# Altium PCB ie-track-kit-arduino-1-V11.PcbDoc (part 2 of 3) (continued)
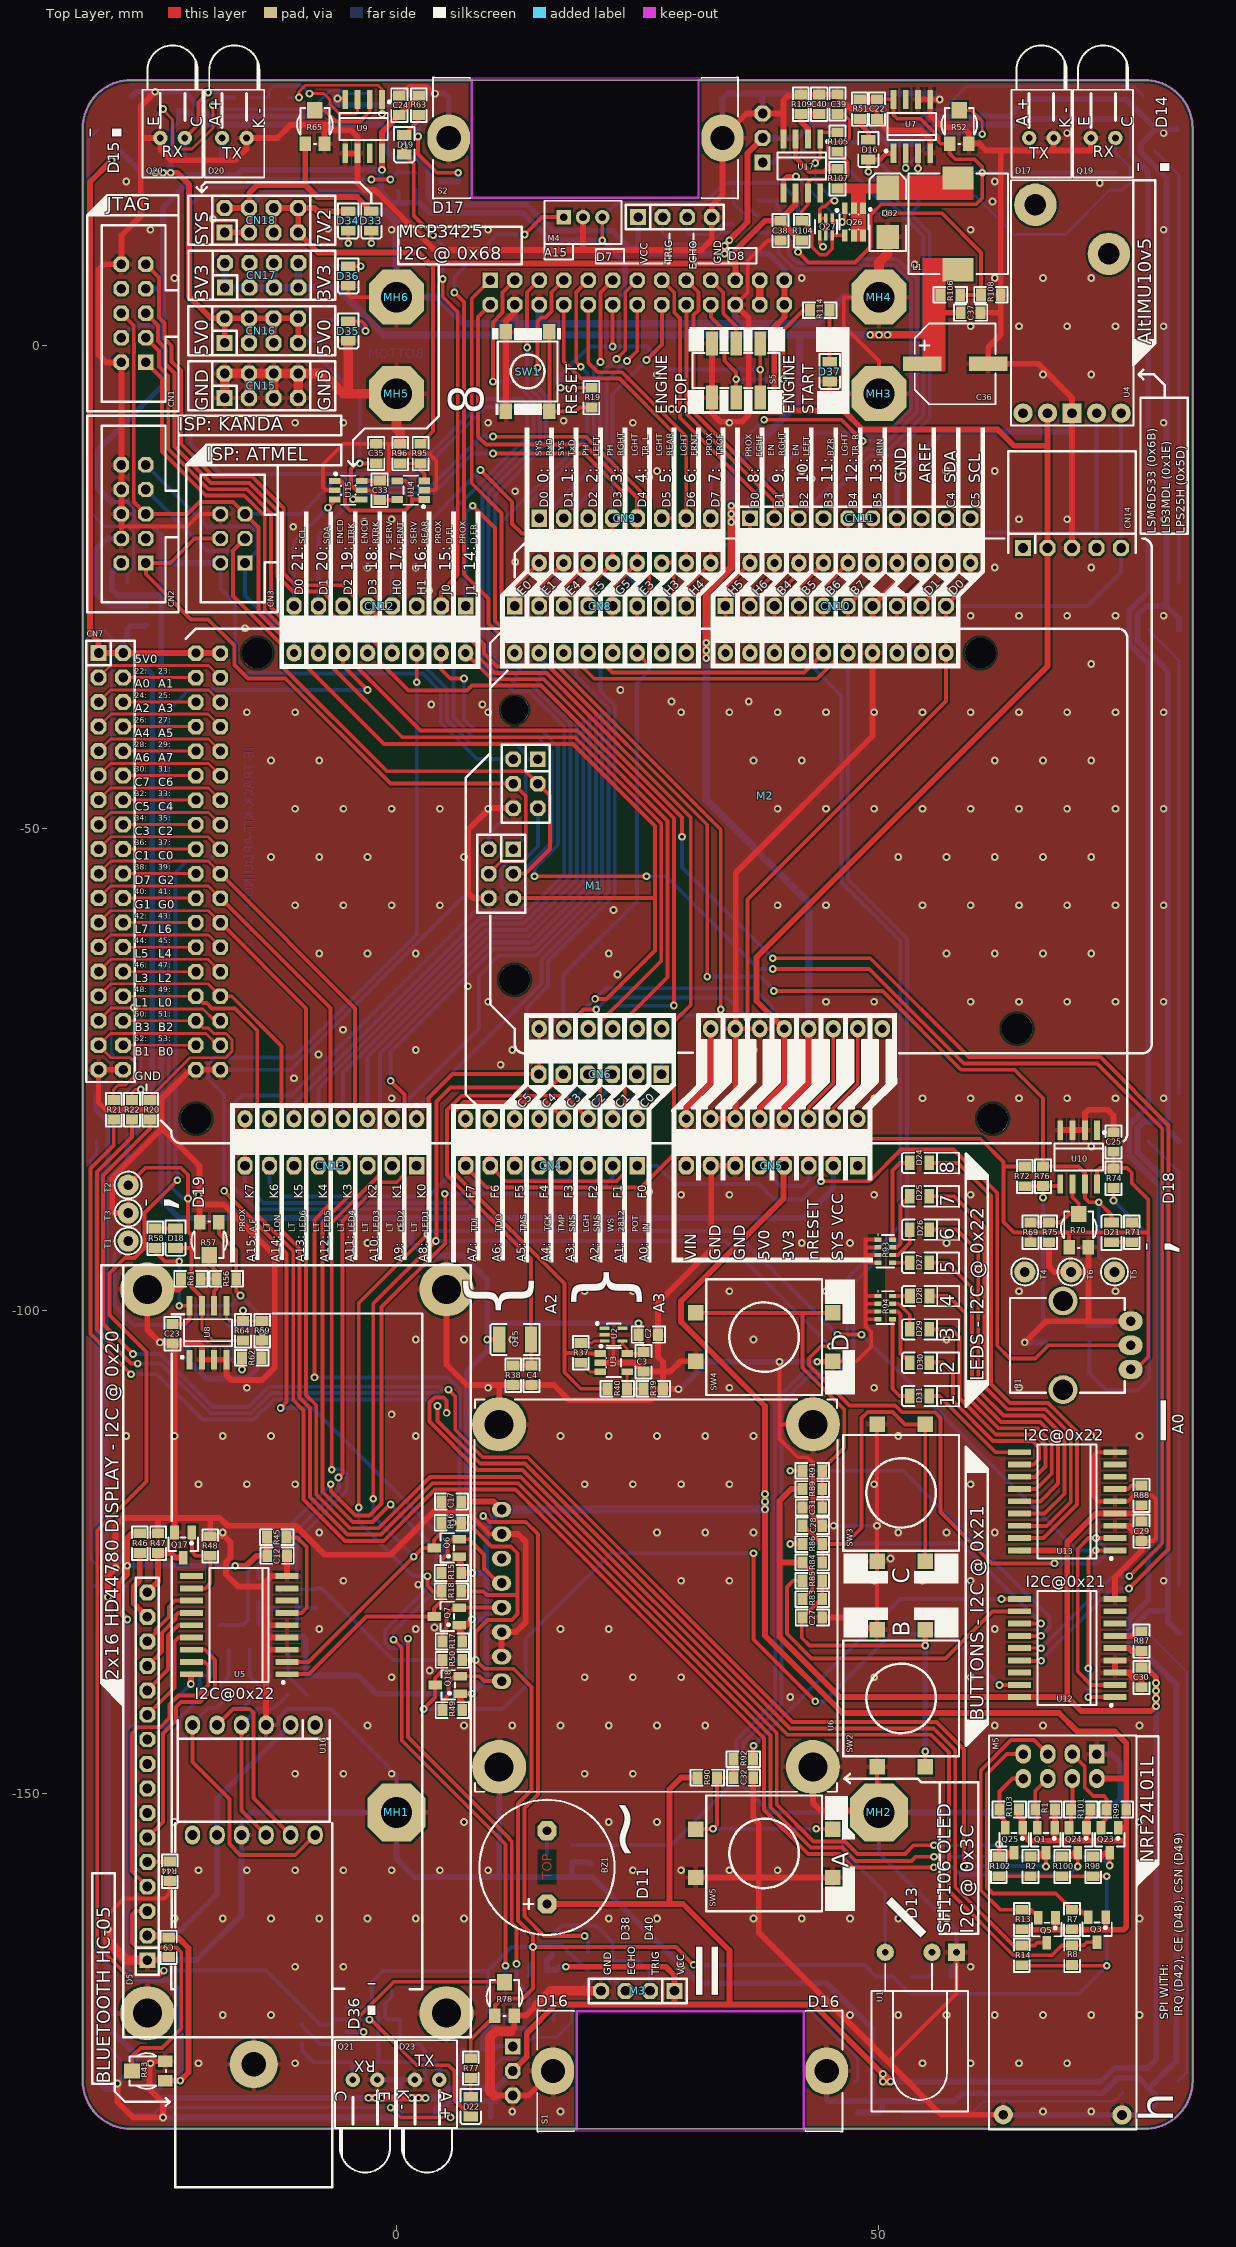
[diagram p0: Top Layer view]
## Nets (pads, with @x,y where several pads share a name; then routed paths per layer and width w, separated by ;. In a path a pad name is that pad's centre, name@x,y a point inside that pad or via, vN(x,y) a via of type N, cw(c..) or ccw(c..) an arc to the next point about the centre after c; other vN are vias at no path point) (continued)
  Top Layer w0.4: v1(21.134,-1.7) 21.134,5.484 CN19.11@22.42,6.77
  Bottom Layer w0.4: CN13.2@-0.455,-85 M1.A9@-0.455,-80.13 -0.455,-79.777 8.536,-70.785 8.536,-65.264 10.622,-63.178 14.526,-63.178 21.316,-56.388 21.316,-37.846 16.071,-32.601 16.071,-25.699 13.499,-23.127 13.499,-16.609 20.443,-9.665 20.443,-2.391 v1(21.134,-1.7)
LD3: CN13.3 CN19.9 M1.A10 | length 113
  Top Layer w0.4: v1(19.1,-2.2) 18.626,-1.726 18.626,5.464 18.6,5.49 CN19.9@19.88,6.77
  Bottom Layer w0.4: CN13.3@-2.995,-85 M1.A10@-2.995,-80.13 -2.995,-73.737 9.526,-61.216 13.714,-61.216 19.354,-55.576 19.354,-38.672 14.56,-33.878 12.978,-33.878 12.324,-33.224 11.724,-33.224 10.862,-32.362 10.862,-18.291 19.789,-9.364 19.789,-2.889 v1(19.1,-2.2)
LD4: CN13.4 CN19.7 M1.A11 | length 113
  Top Layer w0.4: v1(14.608,-2.308) 14.608,2.494 15.007,2.893 15.465,2.893 16.086,3.514 16.086,5.516 CN19.7@17.34,6.77
  Bottom Layer w0.4: CN13.4@-5.535,-85 M1.A11@-5.535,-80.13 -5.535,-75.353 9.256,-60.562 13.443,-60.562 18.7,-55.305 18.7,-38.943 14.289,-34.532 12.708,-34.532 12.054,-33.878 11.453,-33.878 10.208,-32.633 10.208,-15.542 15.516,-10.234 15.516,-5.234 14.608,-4.326 v1(14.608,-2.308)
LD5: CN13.5 CN19.5 M1.A12 | length 113.1
  Top Layer w0.4: v1(13.546,-0.2) 13.546,5.516 CN19.5@14.8,6.77
  Bottom Layer w0.4: CN13.5@-8.075,-85 M1.A12@-8.075,-80.13 -8.075,-76.968 8.985,-59.908 13.172,-59.908 18.046,-55.034 18.046,-39.214 14.018,-35.186 12.437,-35.186 11.783,-34.532 11.182,-34.532 9.554,-32.904 9.554,-15.271 14.862,-9.963 14.862,-5.504 13.546,-4.188 v1(13.546,-0.2)
LD6: CN13.6 CN19.3 M1.A13 | length 116.8
  Top Layer w0.4: v1(10,-3.746) 10,2.4 11,3.4 11,5.51 CN19.3@12.26,6.77
  Bottom Layer w0.4: CN13.6@-10.615,-85 M1.A13@-10.615,-80.13 -10.615,-78.583 8.714,-59.254 12.901,-59.254 17.392,-54.763 17.392,-39.485 13.747,-35.84 12.166,-35.84 11.512,-35.186 10.911,-35.186 8.9,-33.175 8.9,-15 14.208,-9.692 14.208,-5.775 12.179,-3.746 v1(10,-3.746)
LED1: D24.1 U13.17 | length 53.2
  Top Layer w0.4: D24.1@55.216,-84.7 58.2,-84.7 61.6,-88.1 61.6,-107.595 63.581,-109.576 67.525,-109.576 68.485,-110.536 68.5,-110.536 70.524,-112.56 70.524,-120.101 67.045,-123.58 U13.17@64.547,-123.58
LED2: D25.1 U13.16 | length 47.9
  Top Layer w0.4: D25.1@55.216,-88.15 57.75,-88.15 60.946,-91.346 60.946,-107.866 63.31,-110.23 67.254,-110.23 69.87,-112.846 69.87,-119.83 67.39,-122.31 U13.16@64.547,-122.31
LED3: D26.1 U13.15 | length 42.7
  Top Layer w0.4: D26.1@55.216,-91.616 58.016,-91.616 60.292,-93.892 60.292,-108.268 62.908,-110.884 66.984,-110.884 69.216,-113.116 69.216,-118.984 67.16,-121.04 U13.15@64.547,-121.04
LED4: D27.1 U13.14 | length 36.7
  Top Layer w0.4: D27.1@55.216,-95.05 57.05,-95.05 59.638,-97.638 59.638,-108.538 62.638,-111.538 66.713,-111.538 68.562,-113.387 68.562,-117.938 66.73,-119.77 U13.14@64.547,-119.77
LED5: D28.1 U13.13 | length 31.2
  Top Layer w0.4: D28.1@55.232,-98.5 57.2,-98.5 58.984,-100.284 58.984,-108.809 62.367,-112.192 66.442,-112.192 67.908,-113.658 67.908,-116.892 66.3,-118.5 U13.13@64.547,-118.5
LED6: D29.1 U13.12 | length 26.1
  Top Layer w0.4: D29.1@55.216,-101.95 57.55,-101.95 58.33,-102.73 58.33,-109.08 62.096,-112.846 66.171,-112.846 67.254,-113.929 67.254,-116.146 66.17,-117.23 U13.12@64.547,-117.23
LED7: D30.1 U13.11 | length 20.2
  Top Layer w0.4: D30.1@55.216,-105.4 56.6,-105.4 57.676,-106.476 57.676,-109.351 61.825,-113.5 65.9,-113.5 66.6,-114.2 66.6,-115.4 66.04,-115.96 U13.11@64.547,-115.96
LED8: D31.1 U13.10 | length 11.8
  Top Layer w0.4: D31.1@55.216,-108.85 56.25,-108.85 62.09,-114.69 U13.10@64.547,-114.69
LEDON: CN13.7 CN19.14 M1.A14 | length 131.1
  Top Layer w0.4: v1(23.9,-1.6) 24.96,-0.54 CN19.14@24.96,4.23
  Bottom Layer w0.4: M1.A14@-13.155,-80.13 CN13.7@-13.155,-85 -13.155,-86.772 -11.735,-88.192 3.308,-88.192 5.911,-85.589 5.911,-84.312 8.031,-82.192 12.608,-82.192 13.506,-81.294 13.506,-68.59 15.718,-66.379 15.718,-63.836 22.624,-56.93 22.624,-37.304 21.151,-35.831 21.151,-25.951 18.6,-23.4 18.6,-16.74 21.751,-13.589 21.751,-3.749 v1(23.9,-1.6)
LIGHT_SENSOR: C4.2 CN4.3 CN6.3 M1.A2 M2.A2 Q15.1 R38.1 | length 63.4
  Top Layer w0.4: R38.1@12.1,-105.684 C4.2@14,-105.684 14,-103.05 Q15.1@13.95,-103 13.95,-94.675 5.257,-85.982 5.257,-79.218 6.729,-77.746 17.481,-77.746 M1.A2@19.865,-80.13
  Bottom Layer w0.4: CN4.3@19.865,-85 M1.A2@19.865,-80.13 19.865,-79.135 22.38,-76.62 CN6.3@22.38,-75.5 22.38,-70.825 M2.A2@22.405,-70.8
LIGHTS_FRONT: CN8.7 CN9.7 CN19.10 M1.D6 M2.D6 | length 42.8
  Top Layer w0.4: CN19.10@19.88,4.23 19.88,-1.772 19.954,-1.846 19.954,-1.854 20.868,-2.768 23.375,-2.768 30.025,-9.418 CN9.7@30.025,-17.9 M2.D6@30.025,-22.54 ; M1.D6@27.485,-31.87 CN8.7@27.485,-27
  Bottom Layer w0.4: CN8.7@27.485,-27 30.025,-24.46 M2.D6@30.025,-22.54
LIGHTS_REAR: CN8.6 CN9.6 CN19.8 M1.D5 M2.D5 | length 56
  Top Layer w0.4: CN19.8@17.34,4.23 17.34,-1.648 19.114,-3.422 23.104,-3.422 28.739,-9.057 28.739,-17.9 ; CN8.6@24.945,-27 M1.D5@24.945,-31.87 26.299,-33.224 28.293,-33.224 28.739,-32.778 28.739,-22.5 ; M2.D5@27.485,-22.54 27.525,-22.5 28.739,-22.5 ; CN9.6@27.485,-17.9 28.739,-17.9 ; 28.739,-22.5 28.739,-17.9
LIGHTS_TURN_LEFT: CN8.5 CN9.5 CN19.2 M1.D4 M2.D4 | length 50.5
  Top Layer w0.4: CN19.2@9.72,4.23 8.454,2.964 8.454,-9.454 9.275,-10.275 19.48,-10.275 24.945,-15.74 CN9.5@24.945,-17.9 M2.D4@24.945,-22.54 22.405,-25.08 CN8.5@22.405,-27 M1.D4@22.405,-31.87
LIGHTS_TURN_RIGHT: CN10.5 CN11.5 CN19.1 M1.D12 M2.D12 | length 90.3
  Top Layer w0.4: CN19.1@9.72,6.77 7.8,4.85 7.8,-14.27 10.9,-17.37 10.9,-28.3 11.2,-28.6 19.9,-28.6 21.151,-29.851 21.151,-32.651 22.378,-33.878 42.241,-33.878 M1.D12@44.249,-31.87 CN10.5@44.249,-27 44.249,-25.08 M2.D12@46.789,-22.54 CN11.5@46.789,-17.9
MCP_BTN_IRQ: U12.8
MISO_3V3: M5.7 Q3.2 R7.1 | length 28.2
  Top Layer w0.4: M5.7@64.96,-145.96 63.24,-145.96 61.2,-148 61.2,-159.8 61.8,-160.4 68.316,-160.4 R7.1@70,-162.084 70.784,-162.084 Q3.2@71.7,-163
MISO_5V: Q3.3 R8.1 R22.2 | length 171.9
  Top Layer w0.4: R22.2@-27.4,-80.216 -27.4,-82 -31.046,-85.646 -31.046,-101.962 -27.508,-105.5 v1(-26.8,-105.5) ; v1(5.2,-110.6) 5.2,-109.3 4.9,-109 3.955,-109 3.408,-109.546 3.408,-111.508 8.408,-116.508 13.069,-116.508 40.515,-143.954 55.404,-143.954 57.246,-145.796 57.246,-160.13 63.916,-166.8 67.921,-166.8 68.937,-165.784 R8.1@70.01,-165.784 71.2,-165.784 71.53,-165.454 Q3.3@72.6,-165.454
  Bottom Layer w0.4: v1(-26.8,-105.5) -24.433,-105.5 -19.287,-110.646 -15.071,-110.646 -12.971,-108.546 4.171,-108.546 5.2,-109.575 v1(5.2,-110.6)
MOSI_3V3: M5.6 Q1.2 R1.1 | length 5.7
  Top Layer w0.4: Q1.2@66.4,-153.6 66.4,-151.9 R1.1@66.2,-151.7 66.2,-149.8 M5.6@67.5,-148.5
MOSI_5V: Q1.3 R2.1 R20.1 | length 158.3
  Top Layer w0.4: v1(-27.3,-104.5) -30.392,-101.408 -30.392,-85.992 -25.5,-81.1 R20.1@-25.5,-80.216 ; v1(5.4,-108.2) 6.1,-108.9 6.1,-112.35 8.95,-115.2 13.61,-115.2 41.056,-142.646 55.946,-142.646 58.8,-145.5 v1(58.8,-157.566) ; v1(67.3,-157.6) 67.3,-156.4 67.2,-156.3 Q1.3@67.3,-156.2
  Top Layer w0.6: R2.1@65.7,-156.584 66.54,-156.584 66.924,-156.2 Q1.3@67.3,-156.2
  Bottom Layer w0.4: v1(-27.3,-104.5) -24.508,-104.5 -19.016,-109.992 -15.342,-109.992 -13.242,-107.892 4.448,-107.892 4.756,-108.2 v1(5.4,-108.2) ; v1@58.771,-157.559 58.778,-157.566 v1(58.8,-157.566) 67.266,-157.566 v1(67.3,-157.6)
NetBZ1_2: BZ1.2 Q9.3 | length 2.4
  Bottom Layer w0.4: Q9.3@15.6,-156.3 BZ1.2@15.6,-153.9
NetC1_2: C1.2 R30.2 U1.2 | length 4.5
  Bottom Layer w0.4: R30.2@53.466,-169 C1.2@55.484,-169 55.5,-168.984 U1.2@55.5,-166.5
NetC27_2: C27.2 R83.1 R85.2 SW2.1 | length 34.2
  Top Layer w0.4: R85.2@44.116,-128 R83.1@44.116,-129.9 43.984,-129.9 C27.2@42.084,-131.8 42,-131.884 42,-133.91 42.79,-134.7 v1(54.8,-134.7) ; SW2.1@54.8,-147.29 v1(54.8,-145.7)
  Top Layer w0.6: v1(54.8,-134.7) SW2.1@54.8,-133.09
  Bottom Layer w0.6: v1(54.8,-145.7) v1(54.8,-134.7)
NetC28_2: C28.2 R84.1 R86.2 SW3.1 | length 42.2
  Top Layer w0.4: C28.2@42.084,-122.3 42.216,-122.3 R86.2@44.116,-124.2 ; R84.1@44.116,-126.1 R86.2@44.116,-124.2 ; SW3.1@54.8,-125.99 54.8,-112.19 54.4,-111.79 52.706,-111.79 51.416,-110.5 48.9,-110.5 48.864,-110.536 48.812,-110.536 48.2,-111.148 48.2,-122.505 46.505,-124.2 R86.2@44.116,-124.2
NetC31_2: C31.2 R89.1 R91.2 SW4.1 | length 37.1
  Top Layer w0.4: SW4.1@31,-100.25 42.092,-100.25 ; C31.2@44.116,-120.4 R91.2@44.116,-116.6 44.116,-116.484 46.404,-114.196 46.404,-110.237 42.092,-105.925 42.092,-100.25 ; SW4.1@45.2,-100.25 42.092,-100.25
NetC32_2: C32.2 R90.1 R92.2 SW5.1 | length 23.3
  Top Layer w0.4: SW5.1@31,-153.75 32.75,-153.75 v1(32.8,-153.7) 33.216,-153.284 R90.1@33.216,-148.4 C32.2@34.938,-148.4 34.938,-146.515 R92.2@34.923,-146.5 ; v1(43.5,-153.7) 43.55,-153.75 SW5.1@45.2,-153.75
  Bottom Layer w0.4: v1(32.8,-153.7) v1(43.5,-153.7)
NetC34_2: C34.2 Q22.1 R97.1 | length 5.5
  Bottom Layer w0.4: R97.1@-19.3,-139.841 -17.3,-137.841 C34.2@-17.3,-137.809 -17.4,-137.709 Q22.1@-17.4,-135.2
NetC39_2: C39.2 R107.2 U17.3 | length 15.5
  Top Layer w0.3: 44.609,18.306 44.661,18.358 44.661,19.393 44.661,20.743 45.018,21.1 46.6,21.1 46.961,21.461 46.961,23.389 46.35,24 C39.2@45.7,24
  Top Layer w0.5: U17.3@41.365,21.394 41.365,19.435 42.804,17.996 44.299,17.996 44.609,18.306 R107.2@45.7,18.306
NetC40_2: C40.2 R109.1 U17.2 | length 4.8
  Top Layer w0.6: U17.2@42.635,21.394 42.635,22.465 41.9,23.2 R109.1@41.9,23.984 C40.2@43.8,23.984
NetCN2_1: CN2.1 CN3.4 M1.PROG4 M2.PROG4 | length 70.9
  Top Layer w0.4: CN3.4@-18.235,-20 -20.9,-20 -23.44,-22.54 CN2.1@-25.96,-22.54 -25.96,-23.71 -21.27,-28.4 -19.5,-28.4 -16.8,-31.1 -16.8,-33.1 -15.4,-34.5 -11.525,-34.5 -0.625,-45.4 M2.PROG4@12.118,-45.4 13.404,-46.686 13.404,-53.146 13.106,-53.444 10.864,-53.444 M1.PROG4@9.578,-54.73
NetCN2_7: CN2.7 CN3.3 M1.PROG3 M2.PROG3 | length 73
  Top Layer w0.4: CN3.3@-15.695,-20 -16.949,-21.254 -16.949,-25.951 -11.9,-31 -11.9,-33.2 -0.986,-44.114 13.372,-44.114 M2.PROG3@14.658,-45.4 15.912,-46.654 15.912,-52.188 13.954,-54.146 13.946,-54.146 13.446,-54.646 13.446,-54.654 13.37,-54.73 M1.PROG3@12.118,-54.73
  Bottom Layer w0.4: CN2.7@-25.96,-14.92 -19.594,-21.286 -16.981,-21.286 CN3.3@-15.695,-20
NetCN2_9: CN2.9 CN3.1 M1.PROG1 M2.PROG1 | length 72.8
  Bottom Layer w0.4: CN2.9@-25.96,-12.38 -19.594,-18.746 -14.954,-18.746 -14.4,-19.3 -14.4,-21.245 CN3.1@-15.695,-22.54 -15.695,-25.905 -11.9,-29.7 -11.9,-32.7 -11.3,-33.3 2.964,-33.3 5.246,-35.582 5.246,-38.825 7.675,-41.254 12.354,-41.254 13.372,-42.272 13.4,-42.3 13.4,-42.9 ; M1.PROG1@12.118,-52.19 13.4,-50.908 13.4,-42.9 ; M2.PROG1@14.658,-42.86 13.44,-42.86 13.4,-42.9
NetCN5_8: CN5.8 M1.P8 M2.P8 | length 15.3
  Top Layer w0.6: CN5.8@30.08,-85 30.025,-84.945 M1.P8@30.025,-80.13 30.025,-78.975 32.565,-76.435 M2.P8@32.565,-70.8
NetD1_2: D1.2 D3.4 | length 51
  Bottom Layer w0.3: D1.2@-30.864,22.399 -31.892,21.371 -31.892,-17.108 -30.25,-18.75 -27.75,-18.75 -27.25,-19.25 -27.25,-23.061 -27.9,-23.711 D3.4@-27.9,-24.55
NetD1_4: D1.4 D2.2 | length 30.8
  Top Layer w0.3: v1(-24.2,24.5) -24.269,24.5 -23.2,23.431 -23.2,20.8 -22.746,20.346 -21.185,20.346 -19,22.531 v1(-19,24.9)
  Bottom Layer w0.3: D1.4@-25.136,23.601 -24.237,24.5 v1(-24.2,24.5) ; v1@-19.135,25 v1@-19.035,24.9 ; v1(-19,24.9) v1@-19.035,24.9 ; D2.2@-2.65,26.1 -5.463,26.1 -5.767,26.404 -6.896,26.404 -8.8,24.5 -18.635,24.5 v1@-19.035,24.9
NetD2_4: D2.4 Q16.3 R42.1 | length 10.7
  Top Layer w0.4: v1(2.25,21.65) 2.25,19.85 4.2,17.9 v1(6.4,17.9)
  Bottom Layer w0.6: v1(2.25,21.65) D2.4@2.25,22.9 ; Q16.3@4.6,17 6.384,17 R42.1@6.4,17.016 v1(6.4,17.9)
NetD3_2: D3.2 D4.4 | length 51.5
  Bottom Layer w0.3: D3.2@-31.1,-29.45 -30.35,-29.45 -29.553,-30.247 -29.553,-73.347 -29.1,-73.8 -27.5,-73.8 -27,-74.3 -27,-76.463 -27.9,-77.363 D4.4@-27.9,-77.55
NetD4_2: D4.2 D6.4 | length 48.5
  Bottom Layer w0.3: D4.2@-31.1,-82.45 -31.1,-83.8 -31.7,-84.4 -31.7,-125.7 -28.85,-128.55 D6.4@-27.9,-128.55
NetD5_3: D5.3 R43.3 | length 25.9
  Top Layer w0.4: R43.3@-27.4,-178.8 -27.4,-177.3 -26.5,-176.4 -24.3,-176.4 -22.3,-174.4 -22.3,-166.5 -22.78,-166.02 -26.88,-166.02 -27.4,-165.5 -27.4,-162.6 -27.026,-162.226 D5.3@-25.816,-162.226
NetD5_4: D5.4 U5.17 | length 31.2
  Top Layer w0.4: D5.4@-25.816,-159.686 -27.4,-158.103 -27.4,-143.8 -26.776,-143.176 -24.476,-143.176 -23.5,-142.2 -23.5,-140.8 -22.6,-139.9 -20.6,-139.9 -19.5,-138.8 -19.5,-136.8 -19.89,-136.41 U5.17@-21.253,-136.41
NetD5_5: D5.5 R44.2 | length 2.3
  Top Layer w0.4: D5.5@-25.816,-157.146 -23.56,-157.146 R44.2@-23.5,-157.087
NetD5_6: D5.6 U5.16 | length 25.4
  Top Layer w0.4: D5.6@-25.816,-154.606 -24.2,-152.99 -24.2,-143.825 -22.846,-142.471 -22.846,-141.071 -22.329,-140.554 -20.329,-140.554 -18.8,-139.025 -18.8,-136.2 -19.86,-135.14 U5.16@-21.253,-135.14
NetD5_11: D5.11 U5.15 | length 10.7
  Top Layer w0.4: D5.11@-25.816,-141.906 -23,-139.09 -23,-134.3 -22.57,-133.87 U5.15@-21.253,-133.87
NetD5_12: D5.12 U5.14 | length 9.4
  Top Layer w0.4: D5.12@-25.816,-139.366 -23.654,-137.204 -23.654,-133.654 -22.6,-132.6 U5.14@-21.253,-132.6
NetD5_13: D5.13 U5.13 | length 8.2
  Top Layer w0.4: D5.13@-25.816,-136.826 -24.308,-135.318 -24.308,-133.383 -22.9,-131.975 -22.9,-131.6 -22.63,-131.33 U5.13@-21.253,-131.33
NetD5_14: D5.14 U5.12 | length 7.1
  Top Layer w0.4: D5.14@-25.816,-134.286 -24.962,-133.432 -24.962,-133.112 -23.6,-131.75 -23.6,-130.7 -22.96,-130.06 U5.12@-21.253,-130.06
NetD5_15: D5.15 R46.2 | length 7.4
  Top Layer w0.6: R46.2@-26.6,-125.116 -26.6,-127.968 -27.196,-128.564 -27.196,-130.367 D5.15@-25.816,-131.746
NetD5_16: D5.16 Q17.3 R47.1 | length 7.4
  Top Layer w0.6: D5.16@-25.816,-129.206 -24.7,-128.09 R47.1@-24.7,-125.116 -23.384,-125.116 -22.9,-125.6 Q17.3@-22.1,-125.6
NetD6_2: D6.2 D7.4 | length 45.2
  Bottom Layer w0.3: D6.2@-31.1,-133.45 -31.1,-175.1 D7.4@-28.601,-177.598
NetD7_2: D7.2 D8.4 | length 34.7
  Top Layer w0.3: v1(-0.6,-182.6) 0.416,-183.616 0.432,-183.6 v1(5.6,-183.6)
  Bottom Layer w0.3: D7.2@-27.399,-183.326 -25.226,-183.326 -25.188,-183.288 -25.188,-183.283 -24.505,-182.6 v1(-0.6,-182.6) ; v1(5.6,-183.6) 6.343,-183.6 D8.4@6.381,-183.562 D8.4@6.581,-183.562
NetD8_2: D8.2 D9.4 | length 46.9
  Bottom Layer w0.3: D8.2@9.781,-178.662 10.943,-177.5 13.036,-177.5 13.546,-176.99 13.546,-175.954 14.2,-175.3 16.6,-175.3 18.169,-173.731 18.169,-172.38 18.48,-172.069 42.42,-172.069 47.8,-177.449 47.8,-179.65 D9.4@47.55,-179.9
NetD9_2: D9.2 D11.4 | length 23.7
  Bottom Layer w0.3: D9.2@52.45,-183.1 59.717,-183.1 60.886,-181.931 74.404,-181.931 D11.4@75.272,-181.063
NetD10_4: D10.4 D12.2 | length 27
  Bottom Layer w0.3: D10.4@52.45,22.9 53.604,22.9 55.157,24.453 56.653,24.453 59.038,26.838 76.425,26.838 D12.2@77.399,25.864
NetD11_2: D11.2 D13.4 | length 48.4
  Bottom Layer w0.3: D13.4@77.9,-133.45 81.9,-137.45 81.9,-178.961 D11.2@81,-179.861
NetD12_4: D12.4 D14.2 | length 45.7
  Bottom Layer w0.3: D12.4@78.601,20.136 81.1,17.637 D14.2@81.1,-24.55
NetD13_2: D13.2 D15.4 | length 47.4
  Bottom Layer w0.3: D15.4@77.9,-82.45 81.1,-85.65 D13.2@81.1,-128.55
NetD14_4: D14.4 D15.2 | length 49.4
  Bottom Layer w0.3: D14.4@77.9,-29.45 81.1,-32.65 D15.2@81.1,-77.55
NetD16_1: D16.1 R51.2 | length 2.5
  Top Layer w0.5: R51.2@48,23.484 48,23 48.9,22.1 D16.1@48.9,21.316
NetD17_1: D17.1 R53.2 | length 1.5
  Bottom Layer w0.4: R53.2@65.56,19.976 D17.1@65.56,21.5
NetD18_1: D18.1 R58.2 | length 2.1
  Top Layer w0.4: R58.2@-25,-91.484 D18.1@-22.9,-91.484
NetD19_1: D19.1 R63.2 | length 2.7
  Top Layer w0.4: D19.1@0.8,21.816 2.3,23.316 R63.2@2.3,23.884
NetD20_1: D20.1 R66.2 | length 1.8
  Bottom Layer w0.6: R66.2@-18.07,19.7 D20.1@-18.07,21.5
NetD21_1: D21.1 R71.2 | length 2.1
  Top Layer w0.4: D21.1@74.1,-92.916 R71.2@76.2,-92.916
NetD22_1: D22.1 R77.2 | length 2
  Top Layer w0.4: D22.1@7.7,-181.468 R77.2@7.7,-179.516
NetD23_1: D23.1 R79.2 | length 2
  Bottom Layer w0.6: R79.2@3.932,-177.9 4.447,-178.415 D23.1@4.447,-179.715
NetD24_2: D24.2 R93.8 | length 9.3
  Top Layer w0.4: R93.8@51.398,-92.65 51.398,-85.471 52.169,-84.7 D24.2@53.184,-84.7
NetD25_2: D25.2 R93.7 | length 6.3
  Top Layer w0.4: R93.7@51.398,-93.45 51.815,-93.45 52.222,-93.043 52.222,-89.112 D25.2@53.184,-88.15
NetD26_2: D26.2 R93.6 | length 3.7
  Top Layer w0.4: R93.6@51.398,-94.25 51.956,-94.25 52.706,-93.5 52.69,-93.5 ; 52.684,-93.506 52.69,-93.5 ; D26.2@53.184,-91.616 53.184,-93.006 52.69,-93.5
NetD27_2: D27.2 R93.5 | length 1.8
  Top Layer w0.4: R93.5@51.398,-95.05 D27.2@53.184,-95.05
NetD28_2: D28.2 R94.8 | length 1.8
  Top Layer w0.4: R94.8@51.398,-98.5 D28.2@53.2,-98.5
NetD29_2: D29.2 R94.7 | length 3.8
  Top Layer w0.4: R94.7@51.398,-99.3 52.05,-99.3 53.184,-100.434 D29.2@53.184,-101.95
NetD30_2: D30.2 R94.6 | length 6.3
  Top Layer w0.4: R94.6@51.398,-100.1 51.925,-100.1 52.222,-100.397 52.222,-104.438 D30.2@53.184,-105.4
NetD31_2: D31.2 R94.5 | length 9.3
  Top Layer w0.4: R94.5@51.398,-100.9 51.398,-108.098 52.15,-108.85 D31.2@53.184,-108.85
NetD32_2: D32.2 L1.1 Q26.1 Q26.2 Q26.5 Q26.6 R107.1 | length 5.2
  Top Layer w1: R107.1@45.7,16.274 48.35,16.274 50.834,16.274 D32.2@50.9,16.34
NetD33_2: D33.2 R112.1 | length 2.6
  Top Layer w0.4: v1(-2.6,10.6) D33.2@-2.6,11.884
  Bottom Layer w0.4: v1(-2.6,10.6) R112.1@-2.6,11.884
NetD34_2: D34.2 R113.1 | length 2.6
  Top Layer w0.4: v1(-5,10.6) D34.2@-5,11.884
  Bottom Layer w0.4: v1(-5,10.6) R113.1@-5,11.884
NetD35_1: D35.1 R110.2 | length 7.7
  Top Layer w0.4: D35.1@-5,2.516 -3.616,2.516 -3.2,2.1 v1(-3.2,1.5)
  Bottom Layer w0.4: R110.2@-7.9,2.616 -4.316,2.616 v1(-3.2,1.5)
NetD36_1: D36.1 R111.2 | length 5.5
  Top Layer w0.4: D36.1@-5,8.216 -3.706,8.216 v1(-3.7,8.222)
  Bottom Layer w0.4: R111.2@-7.9,8.222 v1(-3.7,8.222)
NetD37_1: D37.1 R114.2 | length 5.3
  Top Layer w0.4: R114.2@44.875,3.642 44.875,-1.659 D37.1@44.9,-1.684
NetM3_2: M3.2 Q8.3 R24.1 | length 15.5
  Bottom Layer w0.4: R24.1@16.2,-164.684 17.162,-163.722 20.642,-163.722 22.42,-165.5 22.42,-167.386 Q8.3@22.434,-167.4 25.1,-167.4 26.27,-168.57 M3.2@26.27,-170.5
NetM3_3: M3.3 Q10.3 R29.1 | length 12.5
  Bottom Layer w0.4: Q10.3@16.3,-173.5 16.3,-172.7 15.6,-172 R29.1@15.6,-170.416 19.088,-170.416 20.3,-169.204 22.434,-169.204 M3.3@23.73,-170.5
NetM4_4: M4.4 Q12.3 R32.1 | length 15.6
  Bottom Layer w0.3: M4.4@27.588,13.3 27.588,11.7 28.787,10.5 32.448,10.5 33.653,11.705 35.726,11.705 36.1,12.079 36.1,13.571 34.9,14.771 Q12.3@34.9,15.937
NetM4_5: M4.5 Q13.3 R36.1 | length 7
  Bottom Layer w0.3: M4.5@30.128,13.3 30.128,11.516 32.68,11.516 33.764,12.6 Q13.3@34.9,12.6
NetM5_3: M5.3 Q23.2 R99.2 | length 10
  Top Layer w0.4: M5.3@70.04,-145.96 71.326,-147.246 71.326,-149.426 72.2,-150.3 73.3,-150.3 73.584,-150.584 R99.2@73.584,-151.7 73.584,-152.616 73,-153.2 Q23.2@73,-153.6
NetM5_4: M5.4 Q24.2 R101.2 | length 5.2
  Top Layer w0.4: Q24.2@69.7,-153.6 69.884,-153.416 R101.2@69.884,-151.7 70.04,-151.544 M5.4@70.04,-148.5
NetM5_8: M5.8 Q25.2 R103.2 | length 7
  Top Layer w0.4: Q25.2@63.1,-153.6 63.1,-152.946 62.484,-152.33 R103.2@62.484,-151.7 62.484,-149.842 63.826,-148.5 M5.8@64.96,-148.5
NetQ2_2: Q2.2 R3.2 R5.2 | length 5.6
  Bottom Layer w0.4: Q2.2@-15.2,-135.125 -15.2,-137.709 R5.2@-15.3,-137.809 -13.3,-139.809 R3.2@-13.3,-139.825
NetQ2_3: Q2.3 R4.2 R6.1 | length 4.4
  Bottom Layer w0.4: Q2.3@-14.3,-132.525 -14.3,-130.857 ; R6.1@-14.3,-130.175 -14.3,-130.857 ; R4.2@-12.3,-130.857 -14.3,-130.857
NetQ4_2: Q4.2 R9.2 R11.2 | length 5.6
  Bottom Layer w0.4: Q4.2@-11.2,-135.125 -11.2,-137.693 R11.2@-11.3,-137.793 -11.3,-137.841 R9.2@-9.3,-139.841
NetQ4_3: Q4.3 R10.2 R12.1 | length 4.7
  Bottom Layer w0.4: Q4.3@-10.3,-132.525 -10.3,-130.8 ; R12.1@-10.3,-129.841 -10.3,-130.8 ; R10.2@-8.3,-130.841 -10.259,-130.841 -10.3,-130.8
NetQ11_3: Q11.3 R26.1 S1.1 | length 7.3
  Bottom Layer w0.4: Q11.3@10.4,-174.2 9.6,-174.2 8.9,-174.9 R26.1@8.9,-176.6 10.108,-176.6 10.508,-176.2 12.494,-176.2 S1.1@12.554,-176.26
NetQ14_3: Q14.3 R34.1 S2.1 | length 4.8
  Bottom Layer w0.5: S2.1@37.946,18.96 39.06,18.96 39.584,19.484 R34.1@40.4,19.484 41.504,19.484 Q14.3@42.22,20.2
NetQ17_1: Q17.1 R48.1 U5.11 | length 9.1
  Top Layer w0.4: U5.11@-21.253,-128.79 -19.79,-128.79 -19.3,-128.3 R48.1@-19.3,-125.416 -20.775,-125.416 -21.196,-124.995 -21.196,-123.004 Q17.1@-21.2,-123
NetQ18_2: Q18.2 R49.1 U6.8 | length 9.1
  Top Layer w0.4: R49.1@4.784,-141.4 4.784,-140.431 5.4,-139.815 5.4,-138.5 6,-137.9 Q18.2@6.6,-137.9 8.6,-137.9 9.1,-138.4 U6.8@10.9,-138.4
NetQ26_3: Q26.3 Q27.1 Q27.4 | length 7.2
  Top Layer w0.35: Q27.4@43.85,11.179 43.85,10.578 v1(44.202,10.225) ; Q27.1@45.15,13.175 45.325,13 45.525,12.8 v1(46.2,12.8) 46.2,12.925 46.45,13.175 Q26.3@46.45,14.2
  Bottom Layer w0.35: v1(44.202,10.225) 44.202,10.802 v1(46.2,12.8)
NetQ26_4: Q26.4 Q27.6 R104.2 R105.1 U17.7 | length 20.1
  Top Layer w0.35: R105.1@45.7,20.068 45.7,20.056 46.764,18.992 46.764,17.589 46.41,17.235 43.009,17.235 42.635,16.861 U17.7@42.635,15.806 42.635,14.56 42,13.925 R104.2@42,12.916 43.064,11.852 43.064,10.191 43.859,9.396 44.546,9.396 45.15,10.001 Q27.6@45.15,11.425 46.425,11.425 Q26.4@46.45,11.4
NetQ27_2: Q27.2 Q27.3 Q27.5 R105.2 U17.1 | length 15.2
  Top Layer w0.35: v1(43.4,18.9) 43.905,19.405 U17.1@43.905,21.394 43.905,22.1 R105.2@45.7,22.1 ; Q27.5@44.5,11.425 Q27.2@44.5,13.175 Q27.3@43.85,13.175 43.85,14.1 44.127,14.377 44.383,14.377 45.006,15 v1(45.4,15)
  Bottom Layer w0.3: v1(43.4,18.9) 43.4,17 v1(45.4,15)
NetR37_1: R37.1 U3.3 | length 2.4
  Top Layer w0.3: R37.1@19.1,-105.4 20.05,-106.35 U3.3@21.1,-106.35
NetR37_2: R37.2 U2.3 | length 2.6
  Top Layer w0.3: R37.2@19.1,-103.368 20.248,-103.368 20.466,-103.15 U2.3@21.575,-103.15
NetR39_1: R39.1 R40.2 U3.4 | length 3.4
  Top Layer w0.3: U3.4@23.9,-106.35 R40.2@23.9,-108.1 R39.1@25.6,-108.1
NetR45_2: R45.2 U5.6 | length 11.1
  Top Layer w0.4: R45.2@-11.384,-123.5 -10.3,-123.5 -9.3,-124.5 -9.3,-130.8 -9.83,-131.33 U5.6@-11.347,-131.33
NetR52_3: R52.3 U7.2 | length 15.2
  Top Layer w0.3: R52.3@58.321,24.369 59.569,24.369 60.7,23.238 v1(60.7,21.9)
  Top Layer w0.5: v1(52.765,18.4) 52.765,19.836 52.8,19.871 U7.2@52.765,19.906
  Bottom Layer w0.3: v1(52.765,18.4) 52.765,18.497 56.168,21.9 v1(60.7,21.9)
NetR55_2: R55.2 R60.1 U7.3 | length 4.2
  Top Layer w0.4: v1(54.035,18.335) U7.3@54.035,19.906
  Bottom Layer w0.4: v1(54.035,18.335) 54.035,17.581 R60.1@54.1,17.516 R55.2@55.9,17.516
NetR56_2: R56.2 R57.3 R61.1 U8.6 | length 7.3
  Top Layer w0.4: R61.1@-20.284,-96.7 R56.2@-18.638,-96.7 ; R57.3@-19.4,-94.284 -19.4,-95.184 -18.638,-95.946 R56.2@-18.638,-96.7 ; U8.6@-18.892,-99.506 -18.892,-97.992 -18.638,-97.738 R56.2@-18.638,-96.7
NetR59_1: R59.1 R64.1 S3.3 T1.0 U8.5 | length 28.6
  Top Layer w0.3: U8.5@-17.622,-99.506 -17.622,-100.762 -17.3,-101.084 R64.1@-15.9,-101.084 ; v1(-15.9,-100) R64.1@-15.9,-101.084 ; R59.1@-13.9,-101.084 R64.1@-15.9,-101.084
  Bottom Layer w0.3: S3.3@-21.6,-101.5 -21.6,-100.8 -21.2,-100.4 -16.3,-100.4 v1(-15.9,-100)
  Bottom Layer w0.4: T1.0@-27.8,-92.8 -29.2,-94.2 -29.2,-99.5 -27.2,-101.5 S3.3@-21.6,-101.5
NetR62_1: R62.1 S3.1 | length 4.5
  Top Layer w0.4: R62.1@-16,-105.084 R62.1@-15.9,-104.984 ; v1(-16,-106.1) R62.1@-16,-105.084
  Bottom Layer w0.4: S3.1@-17.2,-103.3 -17.2,-104.9 v1(-16,-106.1)
NetR65_3: R65.3 U9.2 | length 7.8
  Top Layer w0.4: R65.3@-8.452,24.369 -7.423,24.369 -6.275,23.221 -3.779,23.221 -2.765,24.235 U9.2@-2.765,25.494
NetR68_2: R68.2 R73.1 U9.3 | length 14.8
  Top Layer w0.3: v1(-9,26.1) -7.5,26.1 -6.904,25.504 -6.904,25.029 -5.875,24 -4.192,24 -4.035,24.157 U9.3@-4.035,25.494
  Bottom Layer w0.3: R68.2@-15.1,25.7 R68.2@-14.784,25.7 R73.1@-13.21,25.7 -13.21,26.39 -12.7,26.9 -9.8,26.9 v1(-9,26.1)
NetR69_2: R69.2 R70.3 R75.1 U10.6 | length 9.3
  Top Layer w0.4: R69.2@65.7,-90.884 R75.1@67.62,-90.884 68.816,-90.884 69.7,-90 R70.3@70.7,-90 R70.3@70.7,-89.468 ; U10.6@70.065,-86.894 70.065,-88.265 70.7,-88.9 R70.3@70.7,-89.468 ; R70.3@70.168,-89.468 R70.3@70.7,-89.468
NetR72_1: R72.1 R76.1 S4.3 T4.0 U10.5 | length 20.2
  Top Layer w0.4: R72.1@65.11,-87.116 66.984,-87.116 R76.1@67,-87.1 ; v1(67,-88.3) R76.1@67,-87.1 ; U10.5@68.795,-86.894 68.589,-87.1 R76.1@67,-87.1
  Bottom Layer w0.4: T4.0@65.11,-96 67,-96 ; v1(67,-88.3) 67,-96 ; S4.3@67.4,-101.5 67,-101.1 67,-96
NetR74_1: R74.1 S4.1 | length 32
  Top Layer w0.4: v1(74.3,-88.6) R74.1@74.3,-87.316
  Bottom Layer w0.4: S4.1@71.8,-103.3 71.8,-106.5 73.6,-108.3 76.8,-108.3 78,-107.1 78,-92.3 v1(74.3,-88.6)
NetR78_3: R78.3 U11.6 | length 20.2
  Top Layer w0.4: v1(-3.401,-174.751) -3.9,-174.252 -3.9,-173.206 -0.246,-169.552 11.152,-169.552 R78.3@11.2,-169.6
  Bottom Layer w0.4: U11.6@-5.194,-174.751 v1(-3.401,-174.751)
NetR81_2: R81.2 R82.1 U11.5 | length 5.5
  Bottom Layer w0.4: R81.2@-9.8,-173.984 -9.8,-174.116 R82.1@-7.9,-176.016 -5.199,-176.016 U11.5@-5.194,-176.021
NetR87_2: R87.2 U12.6 | length 2.9
  Top Layer w0.6: U12.6@74.453,-133.716 76.21,-133.716 76.691,-133.235 R87.2@77.2,-133.235
NetR88_2: R88.2 U13.6 | length 2.9
  Top Layer w0.4: U13.6@74.453,-118.5 75.8,-118.5 76.156,-118.144 R88.2@77.2,-118.144
NetR95_2: R95.2 R96.1 U14.3 | length 4.1
  Top Layer w0.3: R96.1@0.4,-12.216 R95.2@2.5,-12.216
  Top Layer w0.4: R95.2@2.5,-12.216 2.5,-12.9 2.9,-13.3 U14.3@2.9,-14.05
NetU14_1: U14.1 U14.4 U15.1 | length 15.6
  Top Layer w0.4: U15.1@-6.4,-14.05 -5.75,-14.05 -5.354,-14.446 -5.354,-14.504 -5.346,-14.512 -5.346,-16.554 -4.8,-17.1 0.9,-17.1 1.6,-16.4 1.6,-15.9 ; U14.4@0.1,-14.05 0.95,-14.05 1.6,-14.7 1.6,-15.9 ; U14.1@2.9,-15.95 1.65,-15.95 1.6,-15.9
NRF24_CE: CN7.29 M1.D48 Q23.3 R98.2 | length 181.1
  Top Layer w0.3: CN7.29@-30.864,-67.43 -29.566,-66.132 -19.533,-66.132 M1.D48@-18.235,-67.43 M1.D48@-17.987,-67.43
  Top Layer w0.4: M1.D48@-17.987,-67.43 -17.07,-67.43 -11.9,-72.6 -11.9,-91.704 -10.04,-93.564 -10.04,-109.002 -8.962,-110.08 -8.962,-119.32 -5.066,-123.216 -1.584,-123.216 3.732,-117.9 12.611,-117.9 38.754,-144.043 38.754,-151.475 42.937,-155.658 46.212,-155.658 47.6,-157.046 48.457,-157.046 ; 48.458,-157.046 53.354,-157.046 53.8,-156.6 v1(55.7,-156.6) ; v1(73.9,-157.5) Q23.3@73.9,-156.2
  Top Layer w0.6: R98.2@72.2,-156.584 73.065,-156.584 73.449,-156.2 Q23.3@73.9,-156.2
  Bottom Layer w0.4: v1(55.7,-156.6) 73,-156.6 v1(73.9,-157.5)
NRF24_CSN: CN7.30 M1.D49 Q24.3 R100.2 | length 174.5
  Top Layer w0.3: CN7.30@-28.324,-67.43 M1.D49@-20.775,-67.43
  Top Layer w0.4: M1.D49@-20.775,-67.43 -20.059,-68.146 -19.654,-68.146 -19.116,-68.684 -16.741,-68.684 -14.425,-71 -14.425,-90.104 -10.694,-93.835 -10.694,-109.273 -9.616,-110.351 -9.616,-119.591 -5.337,-123.87 -1.313,-123.87 3.999,-118.558 12.344,-118.558 38.1,-144.314 38.1,-151.746 42.666,-156.312 45.941,-156.312 47.329,-157.7 49.2,-157.7 ; 49.2,-157.7 v1(55.675,-157.7) ; v1(70.6,-157.6) Q24.3@70.6,-156.2
  Top Layer w0.6: R100.2@69,-156.584 69.8,-156.584 70.184,-156.2 Q24.3@70.6,-156.2
  Bottom Layer w0.4: v1(55.675,-157.7) 57.7,-157.7 58.454,-158.454 69.746,-158.454 v1(70.6,-157.6)
NRF24_IRQ: CN7.23 M1.D42 Q25.3 R102.2 | length 175.4
  Top Layer w0.3: CN7.23@-30.864,-59.81 -29.622,-58.568 -19.477,-58.568 M1.D42@-18.235,-59.81
  Top Layer w0.4: M1.D42@-18.235,-59.81 -9.361,-68.684 -9.361,-108.757 -8.308,-109.81 -8.308,-119.05 -4.796,-122.562 -1.854,-122.562 3.461,-117.246 12.882,-117.246 39.408,-143.772 39.408,-151.204 43.208,-155.004 46.188,-155.004 46.192,-155 46.196,-155.004 46.482,-155.004 47.779,-156.3 52.7,-156.3 53.6,-155.4 v1(55.7,-155.4) ; R102.2@62.4,-156.584 62.435,-156.549 v1(62.435,-155.3)
  Top Layer w0.6: R102.2@62.435,-156.549 63.24,-156.549 63.589,-156.2 Q25.3@64,-156.2
  Bottom Layer w0.4: v1(55.7,-155.4) 62.335,-155.4 v1(62.435,-155.3)
nSLEEP_LEFT: CN19.19 S5.5 | length 7.7
  Top Layer w0.4: CN19.19@32.58,6.77 33.866,5.484 33.866,3.334 35.2,2 S5.5@35.2,0.2